# Altium PCB amp.PcbDoc (part 17 of 20) (continued)
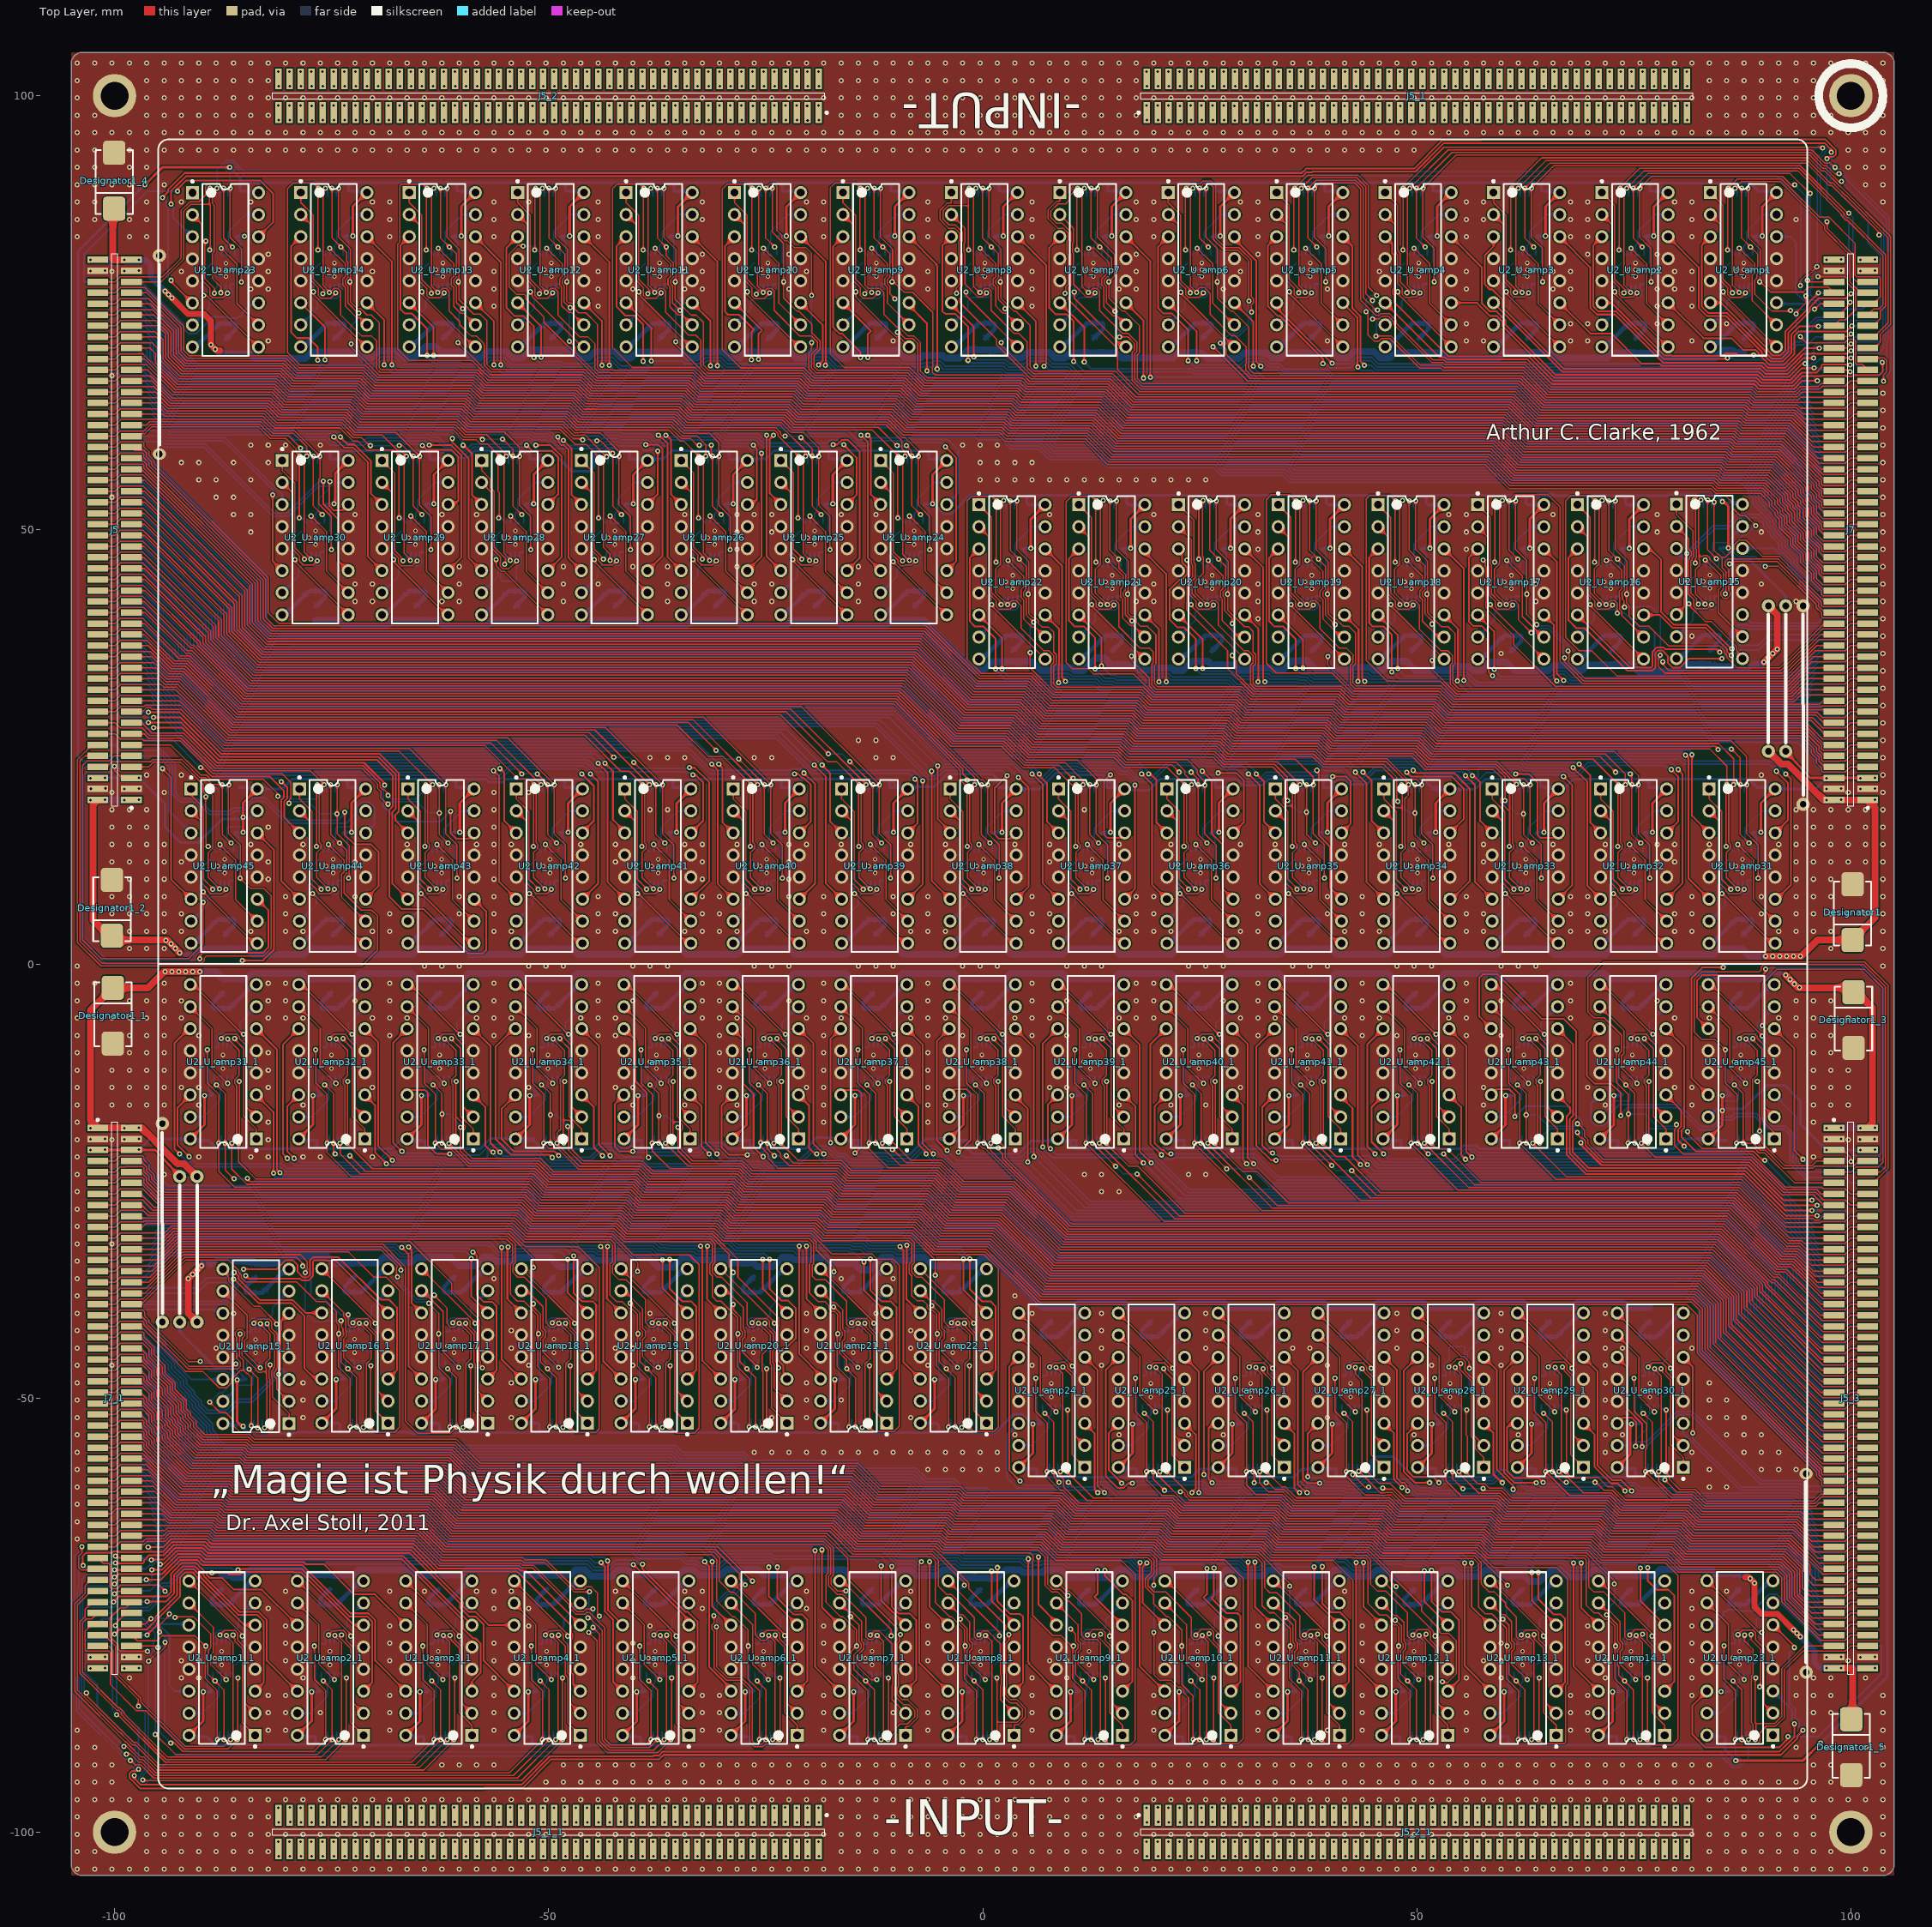
[diagram p0: Top Layer view]
## Nets (pads, with @x,y where several pads share a name; then routed paths per layer and width w, separated by ;. In a path a pad name is that pad's centre, name@x,y a point inside that pad or via, vN(x,y) a via of type N, cw(c..) or ccw(c..) an arc to the next point about the centre after c; other vN are vias at no path point) (continued)
  Bottom Layer w0.15: U2_U_amp19_1.15@-41.66,-50.35 -40.157,-50.35 -38.195,-48.388 -38.195,-47.068 -37.907,-46.779 U1_U_amp19_1.11@-37.907,-45.645 U1_U_amp19_1.12@-38.407,-45.645 ; U1_U_amp19.12@38.407,45.645 U1_U_amp19.11@37.907,45.645 37.907,46.779 38.195,47.068 38.195,48.388 40.157,50.35 U2_U_amp19.15@41.66,50.35
NetU1_U_amp20_2: U1_U_amp20.2 U1_U_amp20.3 U1_U_amp20_1.2 U1_U_amp20_1.3 U2_U_amp20.7 U2_U_amp20_1.7 | length 16.6
  Bottom Layer w0.15: U1_U_amp20_1.2@-27.416,-42.345 U1_U_amp20_1.3@-26.916,-42.345 -26.908,-42.337 -26.908,-41.835 -27.117,-41.627 -27.117,-41.11 -26.801,-40.794 -24.861,-40.794 -24.454,-40.387 -24.454,-39.555 U2_U_amp20_1.7@-22.549,-37.65 ; U2_U_amp20.7@22.549,37.65 24.454,39.555 24.454,40.387 24.861,40.794 26.801,40.794 27.117,41.11 27.117,41.627 26.908,41.835 26.908,42.337 U1_U_amp20.3@26.916,42.345 U1_U_amp20.2@27.416,42.345
NetU1_U_amp20_4: U1_U_amp20.4 U1_U_amp20_1.4 U2_U_amp20.2 U2_U_amp20_1.2 | length 27.5
  Top Layer w0.15: v1(-26.592,-41.327) -26.117,-40.853 -25.302,-40.853 -25.3,-40.852 -24.866,-40.852 -24.558,-41.159 -24.558,-41.788 -23.824,-42.521 -23.824,-44.247 -24.174,-44.597 -24.174,-45.943 -24.045,-46.072 -24.045,-48.854 U2_U_amp20_1.2@-22.549,-50.35 ; U2_U_amp20.2@22.549,50.35 24.045,48.854 24.045,46.072 24.174,45.943 24.174,44.597 23.824,44.247 23.824,42.521 24.558,41.788 24.558,41.159 24.866,40.852 25.3,40.852 25.302,40.853 26.117,40.853 v1(26.592,41.327)
  Bottom Layer w0.15: v1(-26.592,-41.327) -26.416,-41.502 U1_U_amp20_1.4@-26.416,-42.345 ; U1_U_amp20.4@26.416,42.345 26.416,41.502 v1(26.592,41.327)
NetU1_U_amp20_10: U1_U_amp20.10 U1_U_amp20_1.10 U2_U_amp20.10 U2_U_amp20_1.10 | length 24.2
  Top Layer w0.15: U2_U_amp20_1.10@-30.169,-37.65 -29.482,-37.65 -27.604,-39.528 -27.604,-42.03 -27.379,-42.255 -27.379,-42.939 -27.679,-43.239 -27.679,-44.681 -25.959,-46.401 v1(-25.959,-46.482) ; v1(25.959,46.482) 25.959,46.401 27.679,44.681 27.679,43.239 27.379,42.939 27.379,42.255 27.604,42.03 27.604,39.528 29.482,37.65 U2_U_amp20.10@30.169,37.65
  Bottom Layer w0.15: v1(-25.959,-46.482) -25.955,-46.482 -25.916,-46.443 U1_U_amp20_1.10@-25.916,-45.645 ; U1_U_amp20.10@25.916,45.645 25.916,46.443 25.955,46.482 v1(25.959,46.482)
NetU1_U_amp20_11: U1_U_amp20.11 U1_U_amp20.12 U1_U_amp20_1.11 U1_U_amp20_1.12 U2_U_amp20.15 U2_U_amp20_1.15 | length 15.4
  Bottom Layer w0.15: U2_U_amp20_1.15@-30.169,-50.35 -28.667,-50.35 -26.705,-48.388 -26.705,-47.068 -26.416,-46.779 -26.416,-46.767 -26.484,-46.699 -26.484,-46.265 -26.416,-46.197 U1_U_amp20_1.11@-26.416,-45.645 U1_U_amp20_1.12@-26.916,-45.645 ; U1_U_amp20.12@26.916,45.645 U1_U_amp20.11@26.416,45.645 26.416,46.197 26.484,46.265 26.484,46.699 26.416,46.767 26.416,46.779 26.705,47.068 26.705,48.388 28.667,50.35 U2_U_amp20.15@30.169,50.35
NetU1_U_amp21_2: U1_U_amp21.2 U1_U_amp21.3 U1_U_amp21_1.2 U1_U_amp21_1.3 U2_U_amp21.7 U2_U_amp21_1.7 | length 16.6
  Bottom Layer w0.15: U1_U_amp21_1.2@-15.926,-42.345 U1_U_amp21_1.3@-15.426,-42.345 -15.418,-42.337 -15.418,-41.835 -15.626,-41.627 -15.626,-41.11 -15.31,-40.794 -13.37,-40.794 -12.964,-40.387 -12.964,-39.555 U2_U_amp21_1.7@-11.059,-37.65 ; U2_U_amp21.7@11.059,37.65 12.964,39.555 12.964,40.387 13.37,40.794 15.31,40.794 15.626,41.11 15.626,41.627 15.418,41.835 15.418,42.337 U1_U_amp21.3@15.426,42.345 U1_U_amp21.2@15.926,42.345
NetU1_U_amp21_4: U1_U_amp21.4 U1_U_amp21_1.4 U2_U_amp21.2 U2_U_amp21_1.2 | length 26.9
  Top Layer w0.15: v1(-15.101,-41.327) -14.627,-40.853 -13.812,-40.853 -13.81,-40.852 -13.375,-40.852 -13.068,-41.159 -13.068,-41.788 -12.206,-42.65 -12.206,-49.204 U2_U_amp21_1.2@-11.059,-50.35 ; U2_U_amp21.2@11.059,50.35 12.206,49.204 12.206,42.65 13.068,41.788 13.068,41.159 13.375,40.852 13.81,40.852 13.812,40.853 14.627,40.853 v1(15.101,41.327)
  Bottom Layer w0.15: v1(-15.101,-41.327) -14.926,-41.502 U1_U_amp21_1.4@-14.926,-42.345 ; U1_U_amp21.4@14.926,42.345 14.926,41.502 v1(15.101,41.327)
NetU1_U_amp21_10: U1_U_amp21.10 U1_U_amp21_1.10 U2_U_amp21.10 U2_U_amp21_1.10 | length 23.8
  Top Layer w0.15: U2_U_amp21_1.10@-18.679,-37.65 -17.332,-38.997 -16.978,-38.997 -16.114,-39.862 -16.114,-42.03 -15.889,-42.255 -15.889,-43.202 -16.189,-43.502 -16.189,-44.681 v1(-14.386,-46.483) ; v1(14.386,46.483) 16.189,44.681 16.189,43.502 15.889,43.202 15.889,42.255 16.114,42.03 16.114,39.862 16.978,38.997 17.332,38.997 U2_U_amp21.10@18.679,37.65
  Bottom Layer w0.15: U1_U_amp21_1.10@-14.426,-45.645 -14.426,-46.443 v1(-14.386,-46.483) ; v1(14.386,46.483) 14.426,46.443 U1_U_amp21.10@14.426,45.645
NetU1_U_amp21_11: U1_U_amp21.11 U1_U_amp21.12 U1_U_amp21_1.11 U1_U_amp21_1.12 U2_U_amp21.15 U2_U_amp21_1.15 | length 15.3
  Bottom Layer w0.15: U2_U_amp21_1.15@-18.679,-50.35 -17.177,-50.35 -15.215,-48.388 -15.215,-47.068 -14.926,-46.779 U1_U_amp21_1.11@-14.926,-45.645 U1_U_amp21_1.12@-15.426,-45.645 ; U1_U_amp21.12@15.426,45.645 U1_U_amp21.11@14.926,45.645 14.926,46.779 15.215,47.068 15.215,48.388 17.177,50.35 U2_U_amp21.15@18.679,50.35
NetU1_U_amp22_2: U1_U_amp22.2 U1_U_amp22.3 U1_U_amp22_1.2 U1_U_amp22_1.3 U2_U_amp22.7 U2_U_amp22_1.7 | length 16.6
  Bottom Layer w0.15: U1_U_amp22_1.2@-4.436,-42.345 U1_U_amp22_1.3@-3.936,-42.345 -3.928,-42.337 -3.928,-41.835 -4.136,-41.627 -4.136,-41.11 -3.82,-40.794 -1.88,-40.794 -1.474,-40.387 -1.474,-39.555 U2_U_amp22_1.7@0.431,-37.65 ; U2_U_amp22.7@-0.431,37.65 1.474,39.555 1.474,40.387 1.88,40.794 3.82,40.794 4.136,41.11 4.136,41.627 3.928,41.835 3.928,42.337 U1_U_amp22.3@3.936,42.345 U1_U_amp22.2@4.436,42.345
NetU1_U_amp22_4: U1_U_amp22.4 U1_U_amp22_1.4 U2_U_amp22.2 U2_U_amp22_1.2 | length 26.9
  Top Layer w0.15: v1(-3.611,-41.327) -3.137,-40.853 -2.321,-40.853 -2.32,-40.852 -1.885,-40.852 -1.578,-41.159 -1.578,-41.788 -0.715,-42.65 -0.715,-49.204 U2_U_amp22_1.2@0.431,-50.35 ; U2_U_amp22.2@-0.431,50.35 0.715,49.204 0.715,42.65 1.578,41.788 1.578,41.159 1.885,40.852 2.32,40.852 2.321,40.853 3.137,40.853 v1(3.611,41.327)
  Bottom Layer w0.15: v1(-3.611,-41.327) -3.436,-41.502 U1_U_amp22_1.4@-3.436,-42.345 ; U1_U_amp22.4@3.436,42.345 3.436,41.502 v1(3.611,41.327)
NetU1_U_amp22_10: U1_U_amp22.10 U1_U_amp22_1.10 U2_U_amp22.10 U2_U_amp22_1.10 | length 23.9
  Top Layer w0.15: U2_U_amp22_1.10@-7.189,-37.65 -6.02,-38.82 -5.65,-38.82 -4.698,-39.771 -4.698,-41.955 -4.398,-42.255 -4.398,-43.105 -4.698,-43.405 -4.698,-44.681 v1(-2.896,-46.483) ; v1(2.896,46.483) 4.698,44.681 4.698,43.405 4.398,43.105 4.398,42.255 4.698,41.955 4.698,39.771 5.65,38.82 6.02,38.82 U2_U_amp22.10@7.189,37.65
  Bottom Layer w0.15: U1_U_amp22_1.10@-2.936,-45.645 -2.936,-46.443 v1(-2.896,-46.483) ; v1(2.896,46.483) 2.936,46.443 U1_U_amp22.10@2.936,45.645
NetU1_U_amp22_11: U1_U_amp22.11 U1_U_amp22.12 U1_U_amp22_1.11 U1_U_amp22_1.12 U2_U_amp22.15 U2_U_amp22_1.15 | length 15.3
  Bottom Layer w0.15: U2_U_amp22_1.15@-7.189,-50.35 -5.687,-50.35 -3.725,-48.388 -3.725,-47.068 -3.436,-46.779 U1_U_amp22_1.11@-3.436,-45.645 U1_U_amp22_1.12@-3.936,-45.645 ; U1_U_amp22.12@3.936,45.645 U1_U_amp22.11@3.436,45.645 3.436,46.779 3.725,47.068 3.725,48.388 5.687,50.35 U2_U_amp22.15@7.189,50.35
NetU1_U_amp23_2: U1_U_amp23.2 U1_U_amp23.3 U1_U_amp23_1.2 U1_U_amp23_1.3 U2_U_amp23.7 U2_U_amp23_1.7 | length 16.6
  Bottom Layer w0.15: U2_U_amp23.7@-91.041,73.59 -89.137,75.495 -89.137,76.327 -88.73,76.734 -88.726,76.734 -88.717,76.725 -86.799,76.725 -86.474,77.05 -86.474,77.567 -86.682,77.775 -86.682,78.277 U1_U_amp23.3@-86.674,78.285 U1_U_amp23.2@-86.174,78.285 ; U1_U_amp23_1.2@86.174,-78.285 U1_U_amp23_1.3@86.674,-78.285 86.682,-78.277 86.682,-77.775 86.474,-77.567 86.474,-77.05 86.799,-76.725 88.717,-76.725 88.726,-76.734 88.73,-76.734 89.137,-76.327 89.137,-75.495 U2_U_amp23_1.7@91.041,-73.59
NetU1_U_amp23_4: U1_U_amp23.4 U1_U_amp23_1.4 U2_U_amp23.2 U2_U_amp23_1.2 | length 27.1
  Top Layer w0.15: U2_U_amp23.2@-91.041,86.29 -90.025,85.274 -90.025,78.851 -89.025,77.851 -89.025,77.032 -88.717,76.725 -87.541,76.725 v1(-86.999,77.267) ; v1(86.999,-77.267) 87.541,-76.725 88.717,-76.725 89.025,-77.032 89.025,-77.851 90.025,-78.851 90.025,-85.274 U2_U_amp23_1.2@91.041,-86.29
  Bottom Layer w0.15: v1@-87.174,77.207 U1_U_amp23.4@-87.174,78.285 ; U1_U_amp23_1.4@87.174,-78.285 v1@87.174,-77.207
NetU1_U_amp23_10: U1_U_amp23.10 U1_U_amp23_1.10 U2_U_amp23.10 U2_U_amp23_1.10 | length 22.9
  Top Layer w0.15: v1(-87.714,82.423) -85.912,80.621 -85.912,76.081 U2_U_amp23.10@-83.421,73.59 ; U2_U_amp23_1.10@83.421,-73.59 85.912,-76.081 85.912,-80.621 v1(87.714,-82.423)
  Bottom Layer w0.15: v1(-87.714,82.423) -87.674,82.383 U1_U_amp23.10@-87.674,81.585 ; U1_U_amp23_1.10@87.674,-81.585 87.674,-82.383 v1(87.714,-82.423)
NetU1_U_amp23_11: U1_U_amp23.11 U1_U_amp23.12 U1_U_amp23_1.11 U1_U_amp23_1.12 U2_U_amp23.15 U2_U_amp23_1.15 | length 15.3
  Bottom Layer w0.15: U1_U_amp23.12@-86.674,81.585 U1_U_amp23.11@-87.174,81.585 -87.174,82.719 -86.885,83.007 -86.885,84.328 -84.923,86.29 U2_U_amp23.15@-83.421,86.29 ; U2_U_amp23_1.15@83.421,-86.29 84.923,-86.29 86.885,-84.328 86.885,-83.007 87.174,-82.719 87.174,-81.585 U1_U_amp23_1.12@86.674,-81.585
NetU1_U_amp24_2: U1_U_amp24.2 U1_U_amp24.3 U1_U_amp24_1.2 U1_U_amp24_1.3 U2_U_amp24.7 U2_U_amp24_1.7 | length 16.6
  Bottom Layer w0.15: U2_U_amp24.7@-11.757,42.756 -9.852,44.661 -9.852,45.493 -9.465,45.881 -7.525,45.881 -7.19,46.216 -7.19,46.733 -7.398,46.941 -7.398,47.443 U1_U_amp24.3@-7.39,47.451 U1_U_amp24.2@-6.89,47.451 ; U1_U_amp24_1.2@6.89,-47.451 U1_U_amp24_1.3@7.39,-47.451 7.398,-47.443 7.398,-46.941 7.19,-46.733 7.19,-46.216 7.525,-45.881 9.465,-45.881 9.852,-45.493 9.852,-44.661 U2_U_amp24_1.7@11.757,-42.756
NetU1_U_amp24_4: U1_U_amp24.4 U1_U_amp24_1.4 U2_U_amp24.2 U2_U_amp24_1.2 | length 27.1
  Top Layer w0.15: U2_U_amp24.2@-11.757,55.456 -10.611,54.31 -10.611,47.372 -9.745,46.507 -9.745,46.188 -9.438,45.881 -9.003,45.881 -8.925,45.959 -8.189,45.959 v1(-7.715,46.433) ; v1(7.715,-46.433) 8.189,-45.959 8.925,-45.959 9.003,-45.881 9.438,-45.881 9.745,-46.188 9.745,-46.507 10.611,-47.372 10.611,-54.31 U2_U_amp24_1.2@11.757,-55.456
  Bottom Layer w0.15: v1@-7.89,46.373 U1_U_amp24.4@-7.89,47.451 ; U1_U_amp24_1.4@7.89,-47.451 v1@7.89,-46.373
NetU1_U_amp24_10: U1_U_amp24.10 U1_U_amp24_1.10 U2_U_amp24.10 U2_U_amp24_1.10 | length 22.9
  Top Layer w0.15: v1(-8.43,51.589) -6.628,49.787 -6.628,45.247 U2_U_amp24.10@-4.137,42.756 ; U2_U_amp24_1.10@4.137,-42.756 6.628,-45.247 6.628,-49.787 v1(8.43,-51.589)
  Bottom Layer w0.15: v1(-8.43,51.589) -8.39,51.549 U1_U_amp24.10@-8.39,50.751 ; U1_U_amp24_1.10@8.39,-50.751 8.39,-51.549 v1(8.43,-51.589)
NetU1_U_amp24_11: U1_U_amp24.11 U1_U_amp24.12 U1_U_amp24_1.11 U1_U_amp24_1.12 U2_U_amp24.15 U2_U_amp24_1.15 | length 15.3
  Bottom Layer w0.15: U1_U_amp24.12@-7.39,50.751 U1_U_amp24.11@-7.89,50.751 -7.89,51.885 -7.601,52.174 -7.601,53.494 -5.639,55.456 U2_U_amp24.15@-4.137,55.456 ; U2_U_amp24_1.15@4.137,-55.456 5.639,-55.456 7.601,-53.494 7.601,-52.174 7.89,-51.885 U1_U_amp24_1.11@7.89,-50.751 U1_U_amp24_1.12@7.39,-50.751
NetU1_U_amp25_2: U1_U_amp25.2 U1_U_amp25.3 U1_U_amp25_1.2 U1_U_amp25_1.3 U2_U_amp25.7 U2_U_amp25_1.7 | length 16.6
  Bottom Layer w0.15: U2_U_amp25.7@-23.247,42.756 -21.343,44.661 -21.343,45.493 -20.936,45.9 -18.996,45.9 -18.68,46.216 -18.68,46.733 -18.888,46.941 -18.888,47.443 U1_U_amp25.3@-18.88,47.451 U1_U_amp25.2@-18.38,47.451 ; U1_U_amp25_1.2@18.38,-47.451 U1_U_amp25_1.3@18.88,-47.451 18.888,-47.443 18.888,-46.941 18.68,-46.733 18.68,-46.216 18.996,-45.9 20.936,-45.9 21.343,-45.493 21.343,-44.661 U2_U_amp25_1.7@23.247,-42.756
NetU1_U_amp25_4: U1_U_amp25.4 U1_U_amp25_1.4 U2_U_amp25.2 U2_U_amp25_1.2 | length 26.9
  Top Layer w0.15: U2_U_amp25.2@-23.247,55.456 -22.101,54.31 -22.101,47.507 -21.353,46.759 -21.353,46.392 -20.92,45.959 -19.679,45.959 v1(-19.205,46.433) ; v1(19.205,-46.433) 19.679,-45.959 20.92,-45.959 21.353,-46.392 21.353,-46.759 22.101,-47.507 22.101,-54.31 U2_U_amp25_1.2@23.247,-55.456
  Bottom Layer w0.15: v1@-19.38,46.373 U1_U_amp25.4@-19.38,47.451 ; U1_U_amp25_1.4@19.38,-47.451 v1@19.38,-46.373
NetU1_U_amp25_10: U1_U_amp25.10 U1_U_amp25_1.10 U2_U_amp25.10 U2_U_amp25_1.10 | length 22.9
  Top Layer w0.15: v1(-19.92,51.589) -18.118,49.787 -18.118,45.247 U2_U_amp25.10@-15.627,42.756 ; U2_U_amp25_1.10@15.627,-42.756 18.118,-45.247 18.118,-49.787 v1(19.92,-51.589)
  Bottom Layer w0.15: v1(-19.92,51.589) -19.88,51.549 U1_U_amp25.10@-19.88,50.751 ; U1_U_amp25_1.10@19.88,-50.751 19.88,-51.549 v1(19.92,-51.589)
NetU1_U_amp25_11: U1_U_amp25.11 U1_U_amp25.12 U1_U_amp25_1.11 U1_U_amp25_1.12 U2_U_amp25.15 U2_U_amp25_1.15 | length 15.3
  Bottom Layer w0.15: U1_U_amp25.12@-18.88,50.751 U1_U_amp25.11@-19.38,50.751 -19.38,51.885 -19.091,52.174 -19.091,53.494 -17.13,55.456 U2_U_amp25.15@-15.627,55.456 ; U2_U_amp25_1.15@15.627,-55.456 17.13,-55.456 19.091,-53.494 19.091,-52.174 19.38,-51.885 U1_U_amp25_1.11@19.38,-50.751 U1_U_amp25_1.12@18.88,-50.751
NetU1_U_amp26_2: U1_U_amp26.2 U1_U_amp26.3 U1_U_amp26_1.2 U1_U_amp26_1.3 U2_U_amp26.7 U2_U_amp26_1.7 | length 16.6
  Bottom Layer w0.15: U2_U_amp26.7@-34.737,42.756 -32.833,44.661 -32.833,45.493 -32.426,45.9 -30.486,45.9 -30.17,46.216 -30.17,46.733 -30.378,46.941 -30.378,47.443 U1_U_amp26.3@-30.37,47.451 U1_U_amp26.2@-29.87,47.451 ; U1_U_amp26_1.2@29.87,-47.451 U1_U_amp26_1.3@30.37,-47.451 30.378,-47.443 30.378,-46.941 30.17,-46.733 30.17,-46.216 30.486,-45.9 32.426,-45.9 32.833,-45.493 32.833,-44.661 U2_U_amp26_1.7@34.737,-42.756
NetU1_U_amp26_4: U1_U_amp26.4 U1_U_amp26_1.4 U2_U_amp26.2 U2_U_amp26_1.2 | length 26.9
  Top Layer w0.15: U2_U_amp26.2@-34.737,55.456 -33.591,54.31 -33.591,47.887 -32.834,47.13 -32.834,46.417 -32.376,45.959 -31.169,45.959 v1(-30.695,46.433) ; v1(30.695,-46.433) 31.169,-45.959 32.376,-45.959 32.834,-46.417 32.834,-47.13 33.591,-47.887 33.591,-54.31 U2_U_amp26_1.2@34.737,-55.456
  Bottom Layer w0.15: v1@-30.87,46.373 U1_U_amp26.4@-30.87,47.451 ; U1_U_amp26_1.4@30.87,-47.451 v1@30.87,-46.373
NetU1_U_amp26_10: U1_U_amp26.10 U1_U_amp26_1.10 U2_U_amp26.10 U2_U_amp26_1.10 | length 22.9
  Top Layer w0.15: v1(-31.41,51.589) -29.608,49.787 -29.608,45.247 U2_U_amp26.10@-27.117,42.756 ; U2_U_amp26_1.10@27.117,-42.756 29.608,-45.247 29.608,-49.787 v1(31.41,-51.589)
  Bottom Layer w0.15: v1(-31.41,51.589) -31.37,51.549 U1_U_amp26.10@-31.37,50.751 ; U1_U_amp26_1.10@31.37,-50.751 31.37,-51.549 v1(31.41,-51.589)
NetU1_U_amp26_11: U1_U_amp26.11 U1_U_amp26.12 U1_U_amp26_1.11 U1_U_amp26_1.12 U2_U_amp26.15 U2_U_amp26_1.15 | length 15.3
  Bottom Layer w0.15: U1_U_amp26.12@-30.37,50.751 U1_U_amp26.11@-30.87,50.751 -30.87,51.885 -30.582,52.174 -30.582,53.494 -28.62,55.456 U2_U_amp26.15@-27.117,55.456 ; U2_U_amp26_1.15@27.117,-55.456 28.62,-55.456 30.582,-53.494 30.582,-52.174 30.87,-51.885 U1_U_amp26_1.11@30.87,-50.751 U1_U_amp26_1.12@30.37,-50.751
NetU1_U_amp27_2: U1_U_amp27.2 U1_U_amp27.3 U1_U_amp27_1.2 U1_U_amp27_1.3 U2_U_amp27.7 U2_U_amp27_1.7 | length 16.6
  Bottom Layer w0.15: U2_U_amp27.7@-46.228,42.756 -44.323,44.661 -44.323,45.493 -43.916,45.9 -41.976,45.9 -41.66,46.216 -41.66,46.733 -41.869,46.941 -41.869,47.443 U1_U_amp27.3@-41.861,47.451 U1_U_amp27.2@-41.361,47.451 ; U1_U_amp27_1.2@41.361,-47.451 U1_U_amp27_1.3@41.861,-47.451 41.869,-47.443 41.869,-46.941 41.66,-46.733 41.66,-46.216 41.976,-45.9 43.916,-45.9 44.323,-45.493 44.323,-44.661 U2_U_amp27_1.7@46.228,-42.756
NetU1_U_amp27_4: U1_U_amp27.4 U1_U_amp27_1.4 U2_U_amp27.2 U2_U_amp27_1.2 | length 26.8
  Top Layer w0.15: U2_U_amp27.2@-46.228,55.456 -45.081,54.31 -45.081,47.695 -44.213,46.826 -44.213,46.392 -43.78,45.959 -42.66,45.959 v1(-42.185,46.433) ; v1(42.185,-46.433) 42.66,-45.959 43.78,-45.959 44.213,-46.392 44.213,-46.826 45.081,-47.695 45.081,-54.31 U2_U_amp27_1.2@46.228,-55.456
  Bottom Layer w0.15: v1@-42.361,46.373 U1_U_amp27.4@-42.361,47.451 ; U1_U_amp27_1.4@42.361,-47.451 v1@42.361,-46.373
NetU1_U_amp27_10: U1_U_amp27.10 U1_U_amp27_1.10 U2_U_amp27.10 U2_U_amp27_1.10 | length 22.9
  Top Layer w0.15: v1(-42.901,51.589) -41.098,49.787 -41.098,45.247 U2_U_amp27.10@-38.608,42.756 ; U2_U_amp27_1.10@38.608,-42.756 41.098,-45.247 41.098,-49.787 v1(42.901,-51.589)
  Bottom Layer w0.15: v1(-42.901,51.589) -42.861,51.549 U1_U_amp27.10@-42.861,50.751 ; U1_U_amp27_1.10@42.861,-50.751 42.861,-51.549 v1(42.901,-51.589)
NetU1_U_amp27_11: U1_U_amp27.11 U1_U_amp27.12 U1_U_amp27_1.11 U1_U_amp27_1.12 U2_U_amp27.15 U2_U_amp27_1.15 | length 15.3
  Bottom Layer w0.15: U1_U_amp27.12@-41.861,50.751 U1_U_amp27.11@-42.361,50.751 -42.361,51.885 -42.072,52.174 -42.072,53.494 -40.11,55.456 U2_U_amp27.15@-38.608,55.456 ; U2_U_amp27_1.15@38.608,-55.456 40.11,-55.456 42.072,-53.494 42.072,-52.174 42.361,-51.885 U1_U_amp27_1.11@42.361,-50.751 U1_U_amp27_1.12@41.861,-50.751
NetU1_U_amp28_2: U1_U_amp28.2 U1_U_amp28.3 U1_U_amp28_1.2 U1_U_amp28_1.3 U2_U_amp28.7 U2_U_amp28_1.7 | length 21.8
  Bottom Layer w0.15: U2_U_amp28.7@-57.718,42.756 -55.813,44.661 -55.813,45.493 -55.554,45.234 -55.554,44.225 -55.422,44.093 -53.836,44.093 -53.704,44.225 -53.704,45.662 -53.151,46.216 -53.151,46.733 -53.359,46.941 -53.359,47.443 U1_U_amp28.3@-53.351,47.451 U1_U_amp28.2@-52.851,47.451 ; U1_U_amp28_1.2@52.851,-47.451 U1_U_amp28_1.3@53.351,-47.451 53.359,-47.443 53.359,-46.941 53.151,-46.733 53.151,-46.216 53.704,-45.662 53.704,-44.225 53.836,-44.093 55.422,-44.093 55.554,-44.225 55.554,-45.234 55.813,-45.493 55.813,-44.661 U2_U_amp28_1.7@57.718,-42.756
NetU1_U_amp28_4: U1_U_amp28.4 U1_U_amp28_1.4 U2_U_amp28.2 U2_U_amp28_1.2 | length 28.1
  Top Layer w0.15: U2_U_amp28.2@-57.718,55.456 -56.571,54.31 -56.571,47.887 -55.526,46.842 -55.526,46.343 -55.592,46.277 -55.592,45.833 -55.285,45.525 -54.584,45.525 v1(-53.676,46.433) ; v1(53.676,-46.433) 54.584,-45.525 55.285,-45.525 55.592,-45.833 55.592,-46.277 55.526,-46.343 55.526,-46.842 56.571,-47.887 56.571,-54.31 U2_U_amp28_1.2@57.718,-55.456
  Bottom Layer w0.15: v1@-53.851,46.373 U1_U_amp28.4@-53.851,47.451 ; U1_U_amp28_1.4@53.851,-47.451 v1@53.851,-46.373
NetU1_U_amp28_10: U1_U_amp28.10 U1_U_amp28_1.10 U2_U_amp28.10 U2_U_amp28_1.10 | length 22.9
  Top Layer w0.15: v1(-54.391,51.589) -52.588,49.787 -52.588,45.247 U2_U_amp28.10@-50.098,42.756 ; U2_U_amp28_1.10@50.098,-42.756 52.588,-45.247 52.588,-49.787 v1(54.391,-51.589)
  Bottom Layer w0.15: v1(-54.391,51.589) -54.351,51.549 U1_U_amp28.10@-54.351,50.751 ; U1_U_amp28_1.10@54.351,-50.751 54.351,-51.549 v1(54.391,-51.589)
NetU1_U_amp28_11: U1_U_amp28.11 U1_U_amp28.12 U1_U_amp28_1.11 U1_U_amp28_1.12 U2_U_amp28.15 U2_U_amp28_1.15 | length 15.3
  Bottom Layer w0.15: U1_U_amp28.12@-53.351,50.751 U1_U_amp28.11@-53.851,50.751 -53.851,51.885 -53.562,52.174 -53.562,53.494 -51.6,55.456 U2_U_amp28.15@-50.098,55.456 ; U2_U_amp28_1.15@50.098,-55.456 51.6,-55.456 53.562,-53.494 53.562,-52.174 53.851,-51.885 U1_U_amp28_1.11@53.851,-50.751 U1_U_amp28_1.12@53.351,-50.751
NetU1_U_amp29_2: U1_U_amp29.2 U1_U_amp29.3 U1_U_amp29_1.2 U1_U_amp29_1.3 U2_U_amp29.7 U2_U_amp29_1.7 | length 16.6
  Bottom Layer w0.15: U2_U_amp29.7@-69.208,42.756 -67.303,44.661 -67.303,45.493 -66.916,45.881 -64.976,45.881 -64.641,46.216 -64.641,46.733 -64.849,46.941 -64.849,47.443 U1_U_amp29.3@-64.841,47.451 U1_U_amp29.2@-64.341,47.451 ; U1_U_amp29_1.2@64.341,-47.451 U1_U_amp29_1.3@64.841,-47.451 64.849,-47.443 64.849,-46.941 64.641,-46.733 64.641,-46.216 64.976,-45.881 66.916,-45.881 67.303,-45.493 67.303,-44.661 U2_U_amp29_1.7@69.208,-42.756
NetU1_U_amp29_4: U1_U_amp29.4 U1_U_amp29_1.4 U2_U_amp29.2 U2_U_amp29_1.2 | length 27.3
  Top Layer w0.15: U2_U_amp29.2@-69.208,55.456 -68.062,54.31 -68.062,47.519 -67.302,46.759 -67.302,46.188 -66.994,45.881 -65.718,45.881 v1(-65.166,46.433) ; v1(65.166,-46.433) 65.718,-45.881 66.994,-45.881 67.302,-46.188 67.302,-46.759 68.062,-47.519 68.062,-54.31 U2_U_amp29_1.2@69.208,-55.456
  Bottom Layer w0.15: v1@-65.341,46.373 U1_U_amp29.4@-65.341,47.451 ; U1_U_amp29_1.4@65.341,-47.451 v1@65.341,-46.373
NetU1_U_amp29_10: U1_U_amp29.10 U1_U_amp29_1.10 U2_U_amp29.10 U2_U_amp29_1.10 | length 22.9
  Top Layer w0.15: v1(-65.881,51.589) -64.079,49.787 -64.079,45.247 U2_U_amp29.10@-61.588,42.756 ; U2_U_amp29_1.10@61.588,-42.756 64.079,-45.247 64.079,-49.787 v1(65.881,-51.589)
  Bottom Layer w0.15: v1(-65.881,51.589) -65.841,51.549 U1_U_amp29.10@-65.841,50.751 ; U1_U_amp29_1.10@65.841,-50.751 65.841,-51.549 v1(65.881,-51.589)
NetU1_U_amp29_11: U1_U_amp29.11 U1_U_amp29.12 U1_U_amp29_1.11 U1_U_amp29_1.12 U2_U_amp29.15 U2_U_amp29_1.15 | length 15.3
  Bottom Layer w0.15: U1_U_amp29.12@-64.841,50.751 U1_U_amp29.11@-65.341,50.751 -65.341,51.885 -65.052,52.174 -65.052,53.494 -63.09,55.456 U2_U_amp29.15@-61.588,55.456 ; U2_U_amp29_1.15@61.588,-55.456 63.09,-55.456 65.052,-53.494 65.052,-52.174 65.341,-51.885 U1_U_amp29_1.11@65.341,-50.751 U1_U_amp29_1.12@64.841,-50.751
NetU1_U_amp30_2: U1_U_amp30.2 U1_U_amp30.3 U1_U_amp30_1.2 U1_U_amp30_1.3 U2_U_amp30.7 U2_U_amp30_1.7 | length 16.6
  Bottom Layer w0.15: U2_U_amp30.7@-80.698,42.756 -78.794,44.661 -78.794,45.493 -78.387,45.9 -76.447,45.9 -76.131,46.216 -76.131,46.733 -76.339,46.941 -76.339,47.443 U1_U_amp30.3@-76.331,47.451 U1_U_amp30.2@-75.831,47.451 ; U1_U_amp30_1.2@75.831,-47.451 U1_U_amp30_1.3@76.331,-47.451 76.339,-47.443 76.339,-46.941 76.131,-46.733 76.131,-46.216 76.447,-45.9 78.387,-45.9 78.794,-45.493 78.794,-44.661 U2_U_amp30_1.7@80.698,-42.756
NetU1_U_amp30_4: U1_U_amp30.4 U1_U_amp30_1.4 U2_U_amp30.2 U2_U_amp30_1.2 | length 26.8
  Top Layer w0.15: U2_U_amp30.2@-80.698,55.456 -79.552,54.31 -79.552,47.823 -78.698,46.969 -78.698,46.931 -78.698,46.776 -78.698,46.406 -78.251,45.959 -77.13,45.959 v1(-76.656,46.433) ; v1(76.656,-46.433) 77.13,-45.959 78.251,-45.959 78.698,-46.406 78.698,-46.776 78.698,-46.931 78.698,-46.969 79.552,-47.823 79.552,-54.31 U2_U_amp30_1.2@80.698,-55.456
  Bottom Layer w0.15: v1@-76.831,46.373 -76.793,46.411 -76.793,47.413 U1_U_amp30.4@-76.831,47.451 ; U1_U_amp30_1.4@76.831,-47.451 76.793,-47.413 76.793,-46.411 v1@76.831,-46.373
NetU1_U_amp30_10: U1_U_amp30.10 U1_U_amp30_1.10 U2_U_amp30.10 U2_U_amp30_1.10 | length 22.9
  Top Layer w0.15: v1(-77.371,51.589) -75.569,49.787 -75.569,45.247 U2_U_amp30.10@-73.078,42.756 ; U2_U_amp30_1.10@73.078,-42.756 75.569,-45.247 75.569,-49.787 v1(77.371,-51.589)
  Bottom Layer w0.15: v1(-77.371,51.589) -77.331,51.549 U1_U_amp30.10@-77.331,50.751 ; U1_U_amp30_1.10@77.331,-50.751 77.331,-51.549 v1(77.371,-51.589)
NetU1_U_amp30_11: U1_U_amp30.11 U1_U_amp30.12 U1_U_amp30_1.11 U1_U_amp30_1.12 U2_U_amp30.15 U2_U_amp30_1.15 | length 15.3
  Bottom Layer w0.15: U1_U_amp30.12@-76.331,50.751 U1_U_amp30.11@-76.831,50.751 -76.831,51.885 -76.542,52.174 -76.542,53.494 -74.581,55.456 U2_U_amp30.15@-73.078,55.456 ; U2_U_amp30_1.15@73.078,-55.456 74.581,-55.456 76.542,-53.494 76.542,-52.174 76.831,-51.885 U1_U_amp30_1.11@76.831,-50.751 U1_U_amp30_1.12@76.331,-50.751
NetU1_U_amp31_2: U1_U_amp31.2 U1_U_amp31.3 U1_U_amp31_1.2 U1_U_amp31_1.3 U2_U_amp31.7 U2_U_amp31_1.7 | length 16.6
  Bottom Layer w0.15: U1_U_amp31_1.2@-88.535,-9.618 U1_U_amp31_1.3@-88.035,-9.618 -88.027,-9.61 -88.027,-9.108 -88.235,-8.9 -88.235,-8.383 -87.919,-8.067 -85.979,-8.067 -85.573,-7.66 -85.573,-6.828 U2_U_amp31_1.7@-83.668,-4.923 ; U2_U_amp31.7@83.668,4.923 85.573,6.828 85.573,7.66 85.979,8.067 87.919,8.067 88.235,8.383 88.235,8.9 88.027,9.108 88.027,9.61 U1_U_amp31.3@88.035,9.618 U1_U_amp31.2@88.535,9.618
NetU1_U_amp31_4: U1_U_amp31.4 U1_U_amp31_1.4 U2_U_amp31.2 U2_U_amp31_1.2 | length 27.1
  Top Layer w0.15: v1(-87.71,-8.6) -87.185,-8.075 -85.946,-8.075 -85.638,-8.383 -85.638,-8.567 -84.814,-9.391 -84.814,-16.477 U2_U_amp31_1.2@-83.668,-17.623 ; U2_U_amp31.2@83.668,17.623 84.814,16.477 84.814,9.391 85.638,8.567 85.638,8.383 85.946,8.075 87.185,8.075 v1(87.71,8.6)
  Bottom Layer w0.15: U1_U_amp31_1.4@-87.535,-9.618 v1@-87.535,-8.54 ; v1@87.535,8.54 U1_U_amp31.4@87.535,9.618
NetU1_U_amp31_10: U1_U_amp31.10 U1_U_amp31_1.10 U2_U_amp31.10 U2_U_amp31_1.10 | length 22.9
  Top Layer w0.15: U2_U_amp31_1.10@-91.288,-4.923 -88.797,-7.414 -88.797,-11.954 v1(-86.995,-13.756) ; v1(86.995,13.756) 88.797,11.954 88.797,7.414 U2_U_amp31.10@91.288,4.923
  Bottom Layer w0.15: U1_U_amp31_1.10@-87.035,-12.918 -87.035,-13.716 v1(-86.995,-13.756) ; v1(86.995,13.756) 87.035,13.716 U1_U_amp31.10@87.035,12.918
NetU1_U_amp31_11: U1_U_amp31.11 U1_U_amp31.12 U1_U_amp31_1.11 U1_U_amp31_1.12 U2_U_amp31.15 U2_U_amp31_1.15 | length 15.3
  Bottom Layer w0.15: U2_U_amp31_1.15@-91.288,-17.623 -89.786,-17.623 -87.824,-15.661 -87.824,-14.341 -87.535,-14.052 U1_U_amp31_1.11@-87.535,-12.918 U1_U_amp31_1.12@-88.035,-12.918 ; U1_U_amp31.12@88.035,12.918 U1_U_amp31.11@87.535,12.918 87.535,14.052 87.824,14.341 87.824,15.661 89.786,17.623 U2_U_amp31.15@91.288,17.623
NetU1_U_amp32_2: U1_U_amp32.2 U1_U_amp32.3 U1_U_amp32_1.2 U1_U_amp32_1.3 U2_U_amp32.7 U2_U_amp32_1.7 | length 16.6
  Bottom Layer w0.15: U1_U_amp32_1.2@-76.045,-9.618 U1_U_amp32_1.3@-75.545,-9.618 -75.537,-9.61 -75.537,-9.108 -75.745,-8.9 -75.745,-8.383 -75.429,-8.067 -73.489,-8.067 -73.082,-7.66 -73.082,-6.828 U2_U_amp32_1.7@-71.178,-4.923 ; U2_U_amp32.7@71.178,4.923 73.082,6.828 73.082,7.66 73.489,8.067 75.429,8.067 75.745,8.383 75.745,8.9 75.537,9.108 75.537,9.61 U1_U_amp32.3@75.545,9.618 U1_U_amp32.2@76.045,9.618
NetU1_U_amp32_4: U1_U_amp32.4 U1_U_amp32_1.4 U2_U_amp32.2 U2_U_amp32_1.2 | length 27.1
  Top Layer w0.15: v1(-75.22,-8.6) -74.695,-8.075 -73.455,-8.075 -73.148,-8.383 -73.148,-8.567 -72.324,-9.391 -72.324,-16.477 U2_U_amp32_1.2@-71.178,-17.623 ; U2_U_amp32.2@71.178,17.623 72.324,16.477 72.324,9.391 73.148,8.567 73.148,8.383 73.455,8.075 74.695,8.075 v1(75.22,8.6)
  Bottom Layer w0.15: U1_U_amp32_1.4@-75.045,-9.618 v1@-75.045,-8.54 ; v1@75.045,8.54 U1_U_amp32.4@75.045,9.618
NetU1_U_amp32_10: U1_U_amp32.10 U1_U_amp32_1.10 U2_U_amp32.10 U2_U_amp32_1.10 | length 22.9
  Top Layer w0.15: U2_U_amp32_1.10@-78.798,-4.923 -76.307,-7.414 -76.307,-11.954 v1(-74.505,-13.756) ; v1(74.505,13.756) 76.307,11.954 76.307,7.414 U2_U_amp32.10@78.798,4.923
  Bottom Layer w0.15: U1_U_amp32_1.10@-74.545,-12.918 -74.545,-13.716 v1(-74.505,-13.756) ; v1(74.505,13.756) 74.545,13.716 U1_U_amp32.10@74.545,12.918
NetU1_U_amp32_11: U1_U_amp32.11 U1_U_amp32.12 U1_U_amp32_1.11 U1_U_amp32_1.12 U2_U_amp32.15 U2_U_amp32_1.15 | length 15.3
  Bottom Layer w0.15: U2_U_amp32_1.15@-78.798,-17.623 -77.295,-17.623 -75.334,-15.661 -75.334,-14.341 -75.045,-14.052 U1_U_amp32_1.11@-75.045,-12.918 U1_U_amp32_1.12@-75.545,-12.918 ; U1_U_amp32.12@75.545,12.918 U1_U_amp32.11@75.045,12.918 75.045,14.052 75.334,14.341 75.334,15.661 77.295,17.623 U2_U_amp32.15@78.798,17.623
NetU1_U_amp33_2: U1_U_amp33.2 U1_U_amp33.3 U1_U_amp33_1.2 U1_U_amp33_1.3 U2_U_amp33.7 U2_U_amp33_1.7 | length 16.6
  Bottom Layer w0.15: U1_U_amp33_1.2@-63.555,-9.618 U1_U_amp33_1.3@-63.055,-9.618 -63.047,-9.61 -63.047,-9.108 -63.255,-8.9 -63.255,-8.383 -62.939,-8.067 -60.999,-8.067 -60.592,-7.66 -60.592,-6.828 U2_U_amp33_1.7@-58.688,-4.923 ; U2_U_amp33.7@58.688,4.923 60.592,6.828 60.592,7.66 60.999,8.067 62.939,8.067 63.255,8.383 63.255,8.9 63.047,9.108 63.047,9.61 U1_U_amp33.3@63.055,9.618 U1_U_amp33.2@63.555,9.618
NetU1_U_amp33_4: U1_U_amp33.4 U1_U_amp33_1.4 U2_U_amp33.2 U2_U_amp33_1.2 | length 27.1
  Top Layer w0.15: v1(-62.73,-8.6) -62.205,-8.075 -60.965,-8.075 -60.658,-8.383 -60.658,-8.567 -59.834,-9.391 -59.834,-16.477 U2_U_amp33_1.2@-58.688,-17.623 ; U2_U_amp33.2@58.688,17.623 59.834,16.477 59.834,9.391 60.658,8.567 60.658,8.383 60.965,8.075 62.205,8.075 v1(62.73,8.6)
  Bottom Layer w0.15: U1_U_amp33_1.4@-62.555,-9.618 v1@-62.555,-8.54 ; v1@62.555,8.54 U1_U_amp33.4@62.555,9.618
NetU1_U_amp33_10: U1_U_amp33.10 U1_U_amp33_1.10 U2_U_amp33.10 U2_U_amp33_1.10 | length 22.9
  Top Layer w0.15: U2_U_amp33_1.10@-66.308,-4.923 -63.817,-7.414 -63.817,-11.954 v1(-62.015,-13.756) ; v1(62.015,13.756) 63.817,11.954 63.817,7.414 U2_U_amp33.10@66.308,4.923
  Bottom Layer w0.15: U1_U_amp33_1.10@-62.055,-12.918 -62.055,-13.716 v1(-62.015,-13.756) ; v1(62.015,13.756) 62.055,13.716 U1_U_amp33.10@62.055,12.918
NetU1_U_amp33_11: U1_U_amp33.11 U1_U_amp33.12 U1_U_amp33_1.11 U1_U_amp33_1.12 U2_U_amp33.15 U2_U_amp33_1.15 | length 15.3
  Bottom Layer w0.15: U2_U_amp33_1.15@-66.308,-17.623 -64.805,-17.623 -62.843,-15.661 -62.843,-14.341 -62.555,-14.052 U1_U_amp33_1.11@-62.555,-12.918 U1_U_amp33_1.12@-63.055,-12.918 ; U1_U_amp33.12@63.055,12.918 U1_U_amp33.11@62.555,12.918 62.555,14.052 62.843,14.341 62.843,15.661 64.805,17.623 U2_U_amp33.15@66.308,17.623